# Altium PCB power-v3.6.PcbDoc (part 1 of 3)
Units mil, origin at the board's own origin, x right, y up, seen from the top; angles counter-clockwise.
Board outline 6141.36 x 3430.84 mil, 4 copper layers (Signal 1, Ground, Power, Signal 2), stack 60.469 mil thick; 253 components, 142 nets, 643 pads, 692 vias.
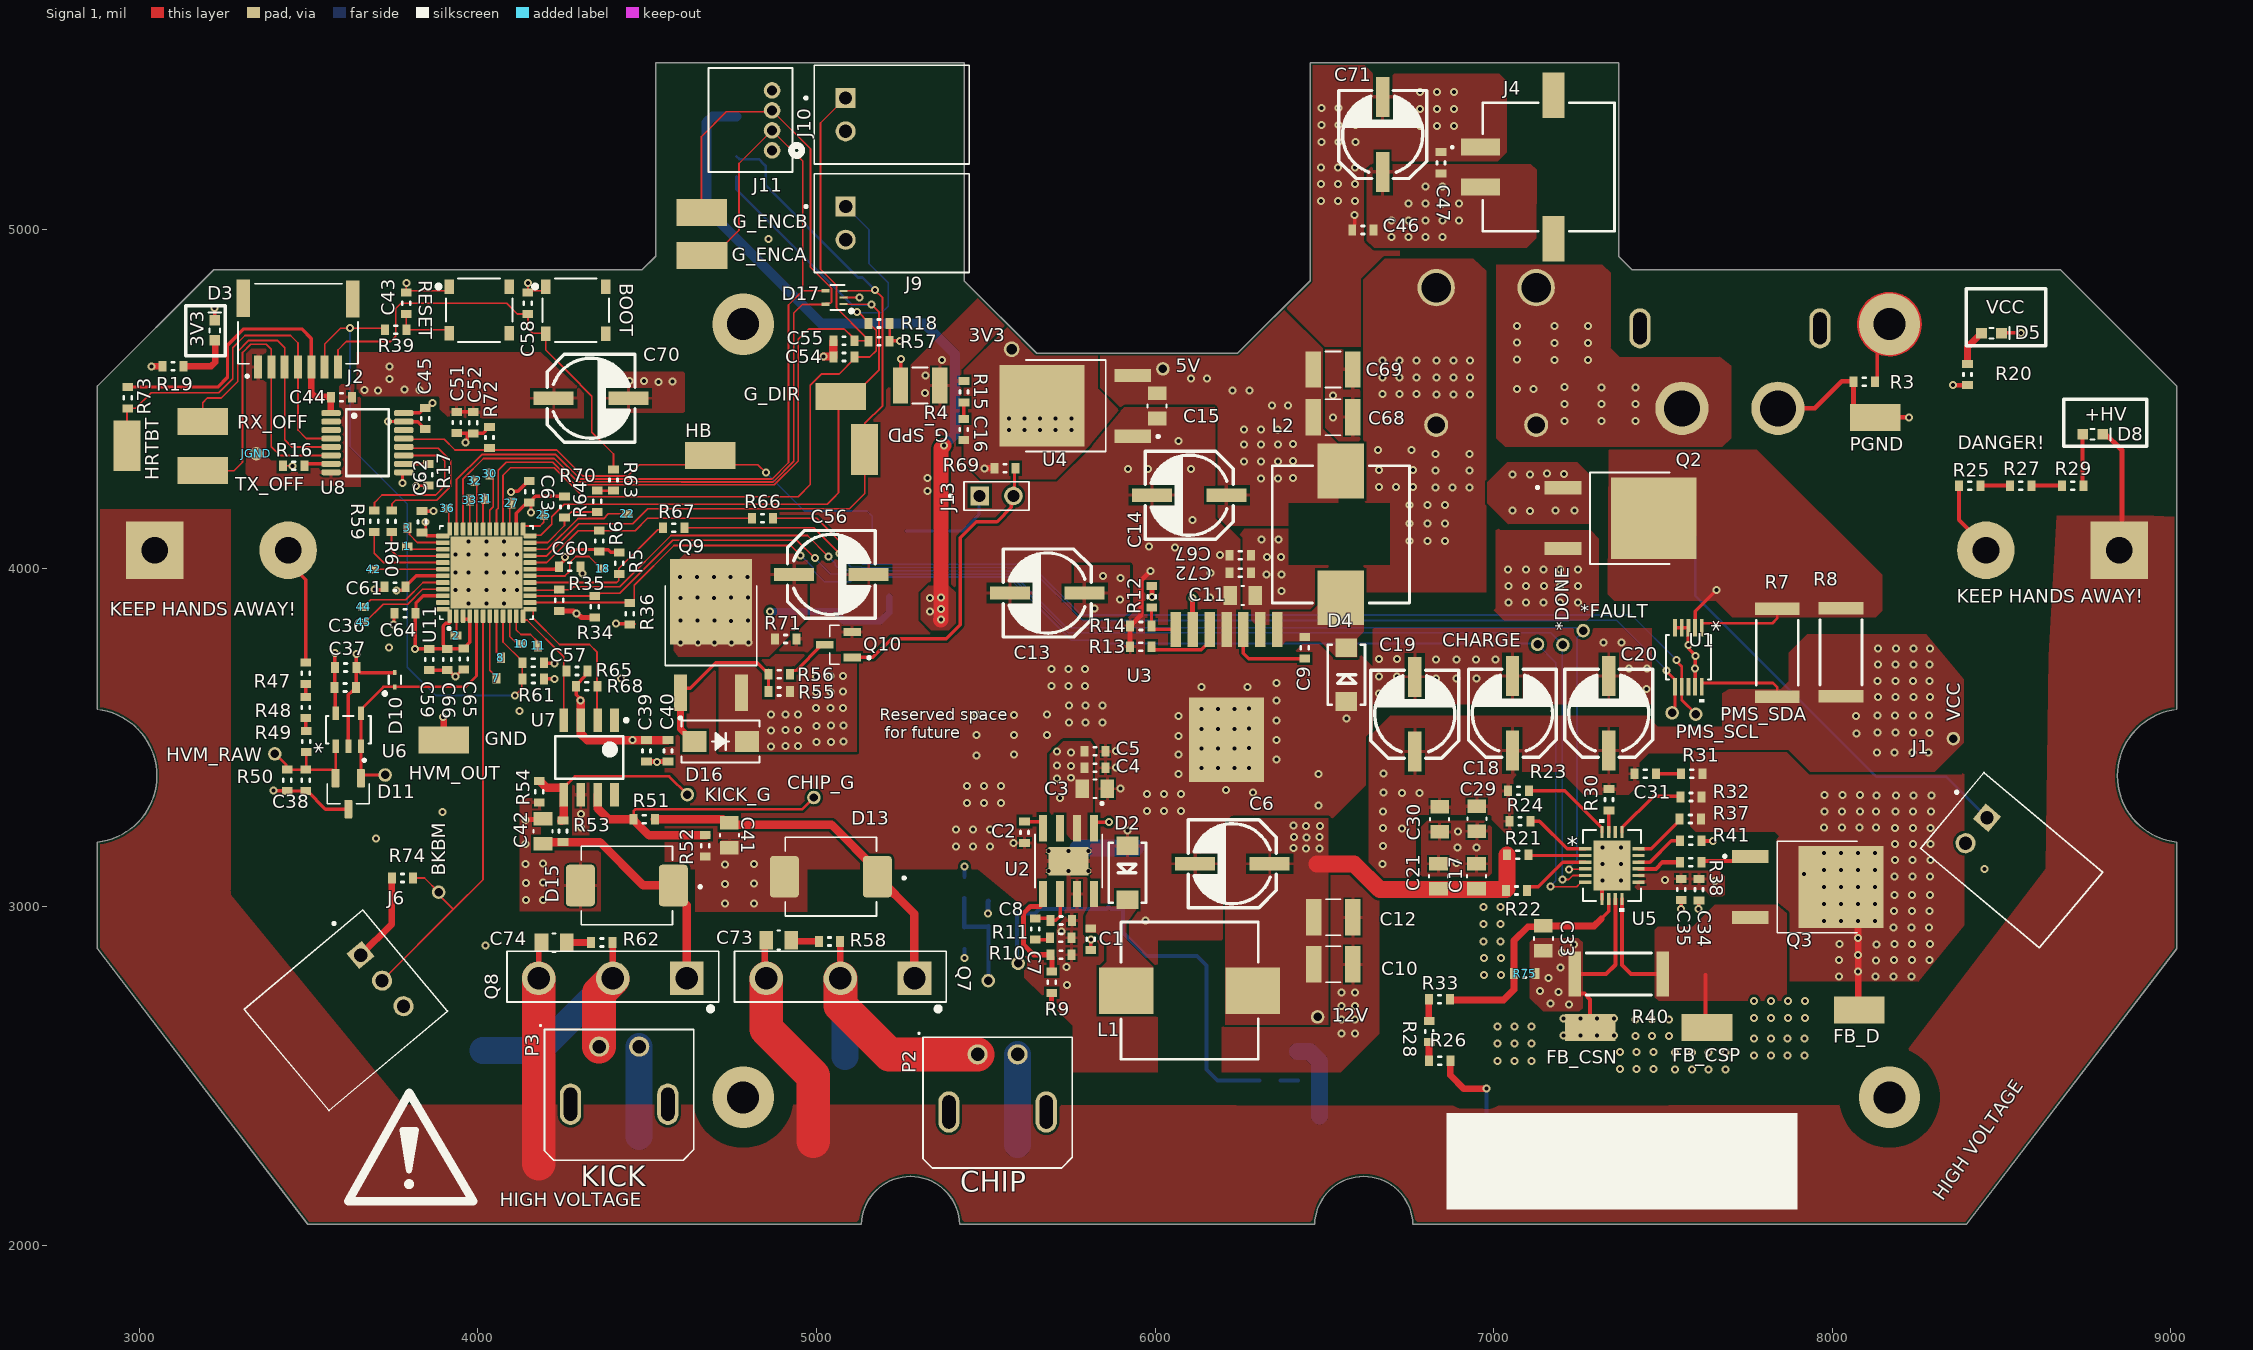
[diagram p0: Signal 1 view]
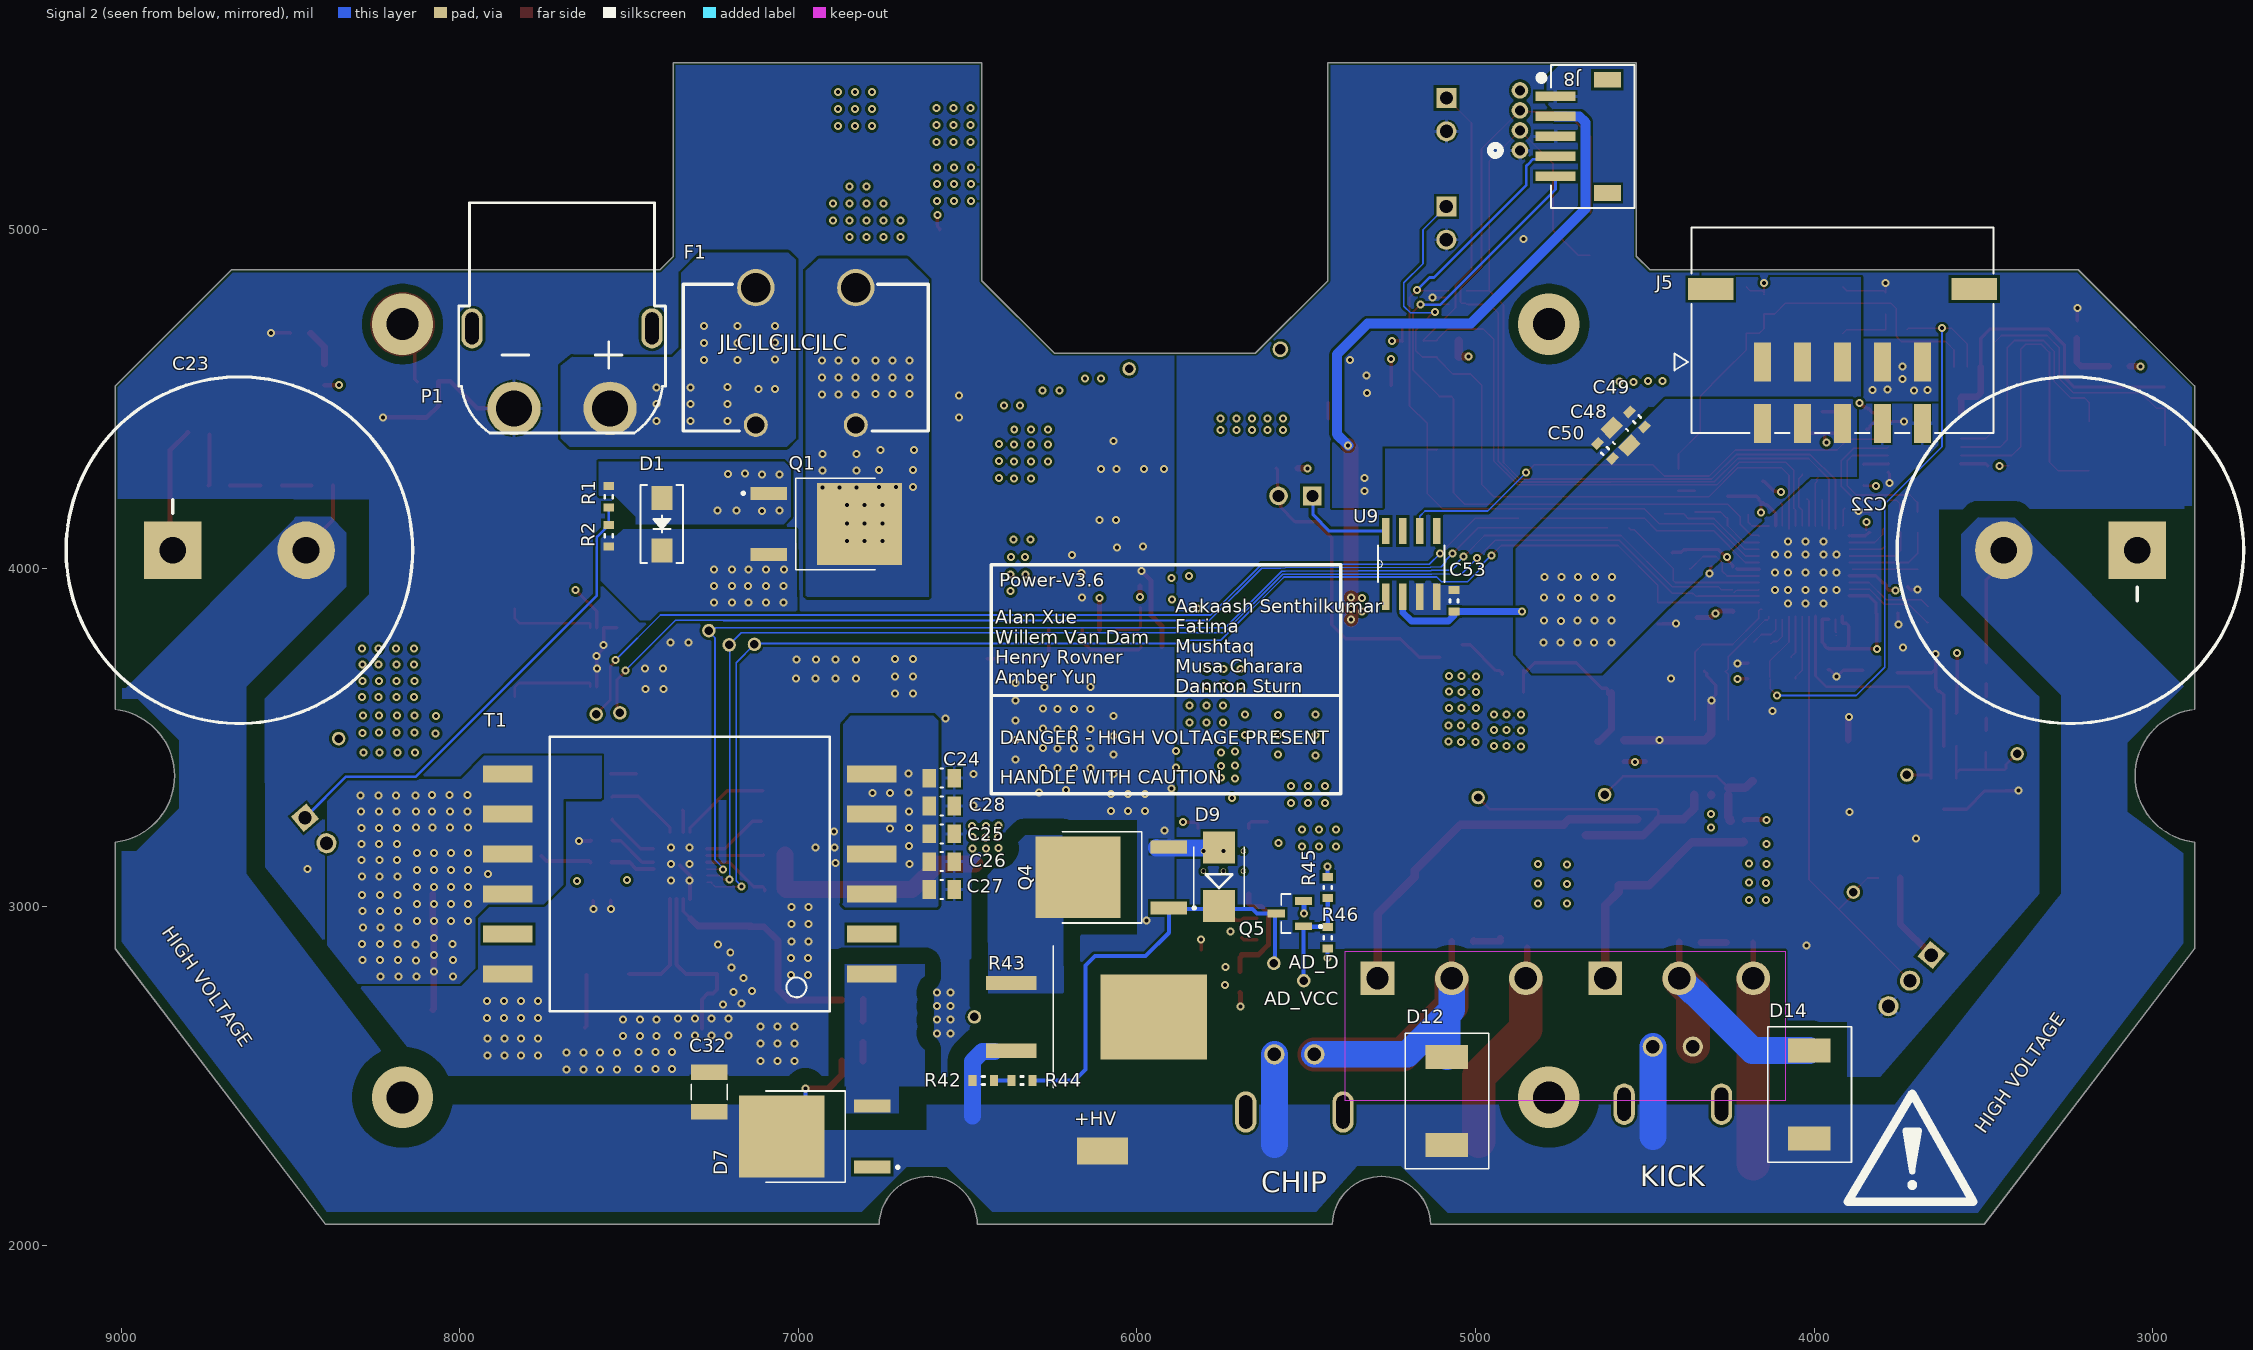
[diagram p1: Signal 2 view, seen from below]
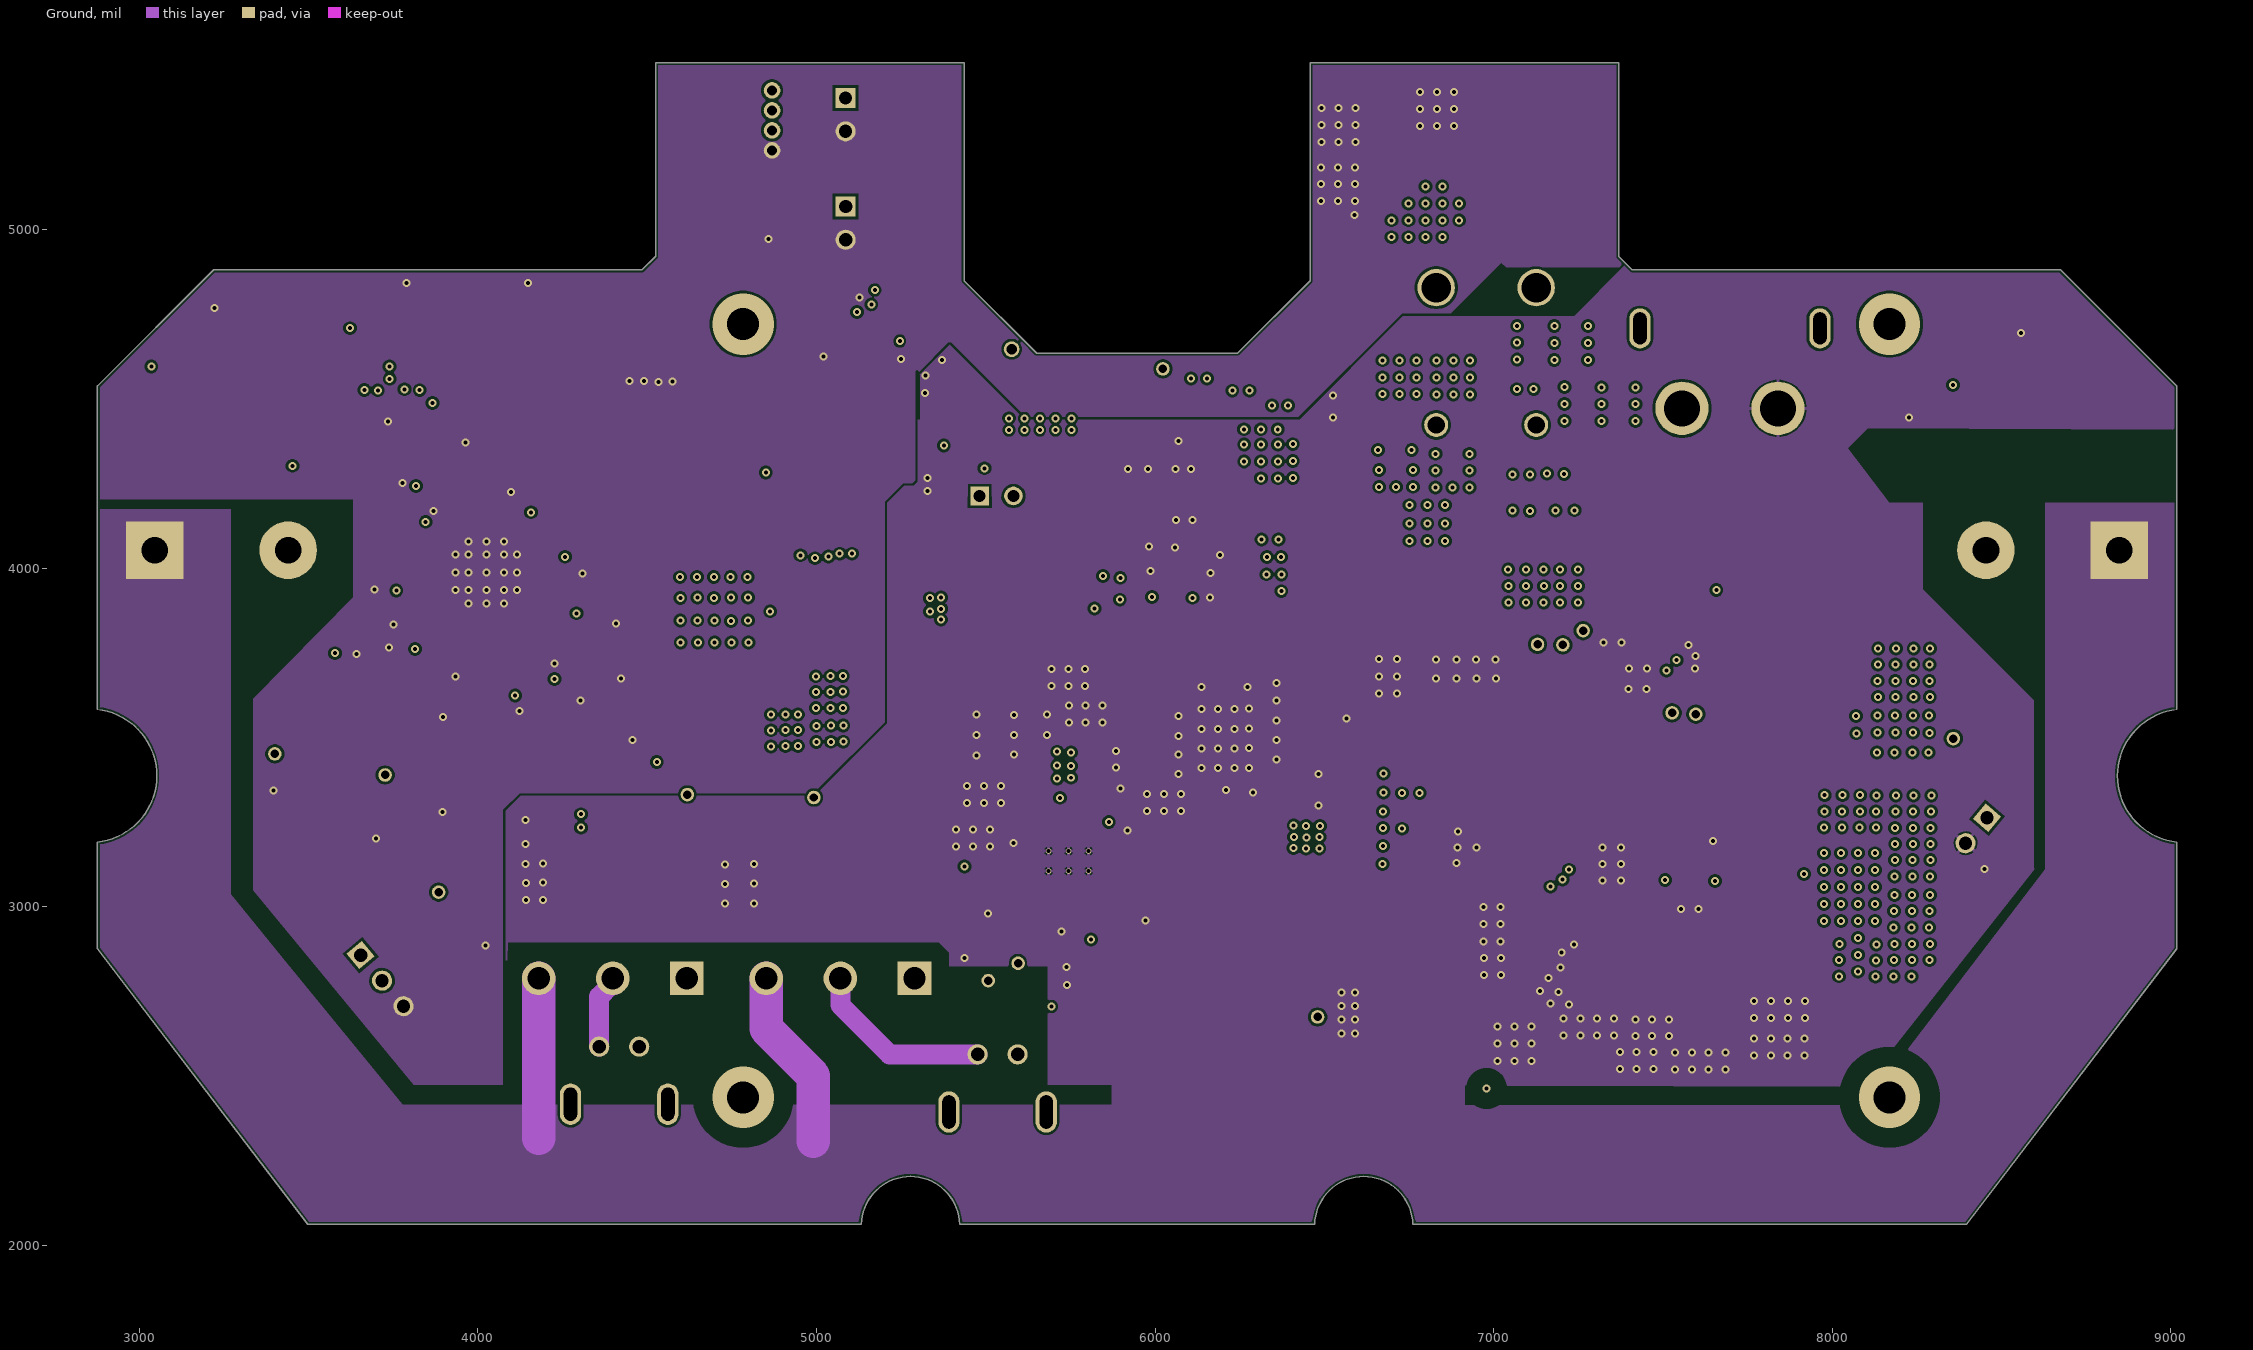
[diagram p2: Ground]
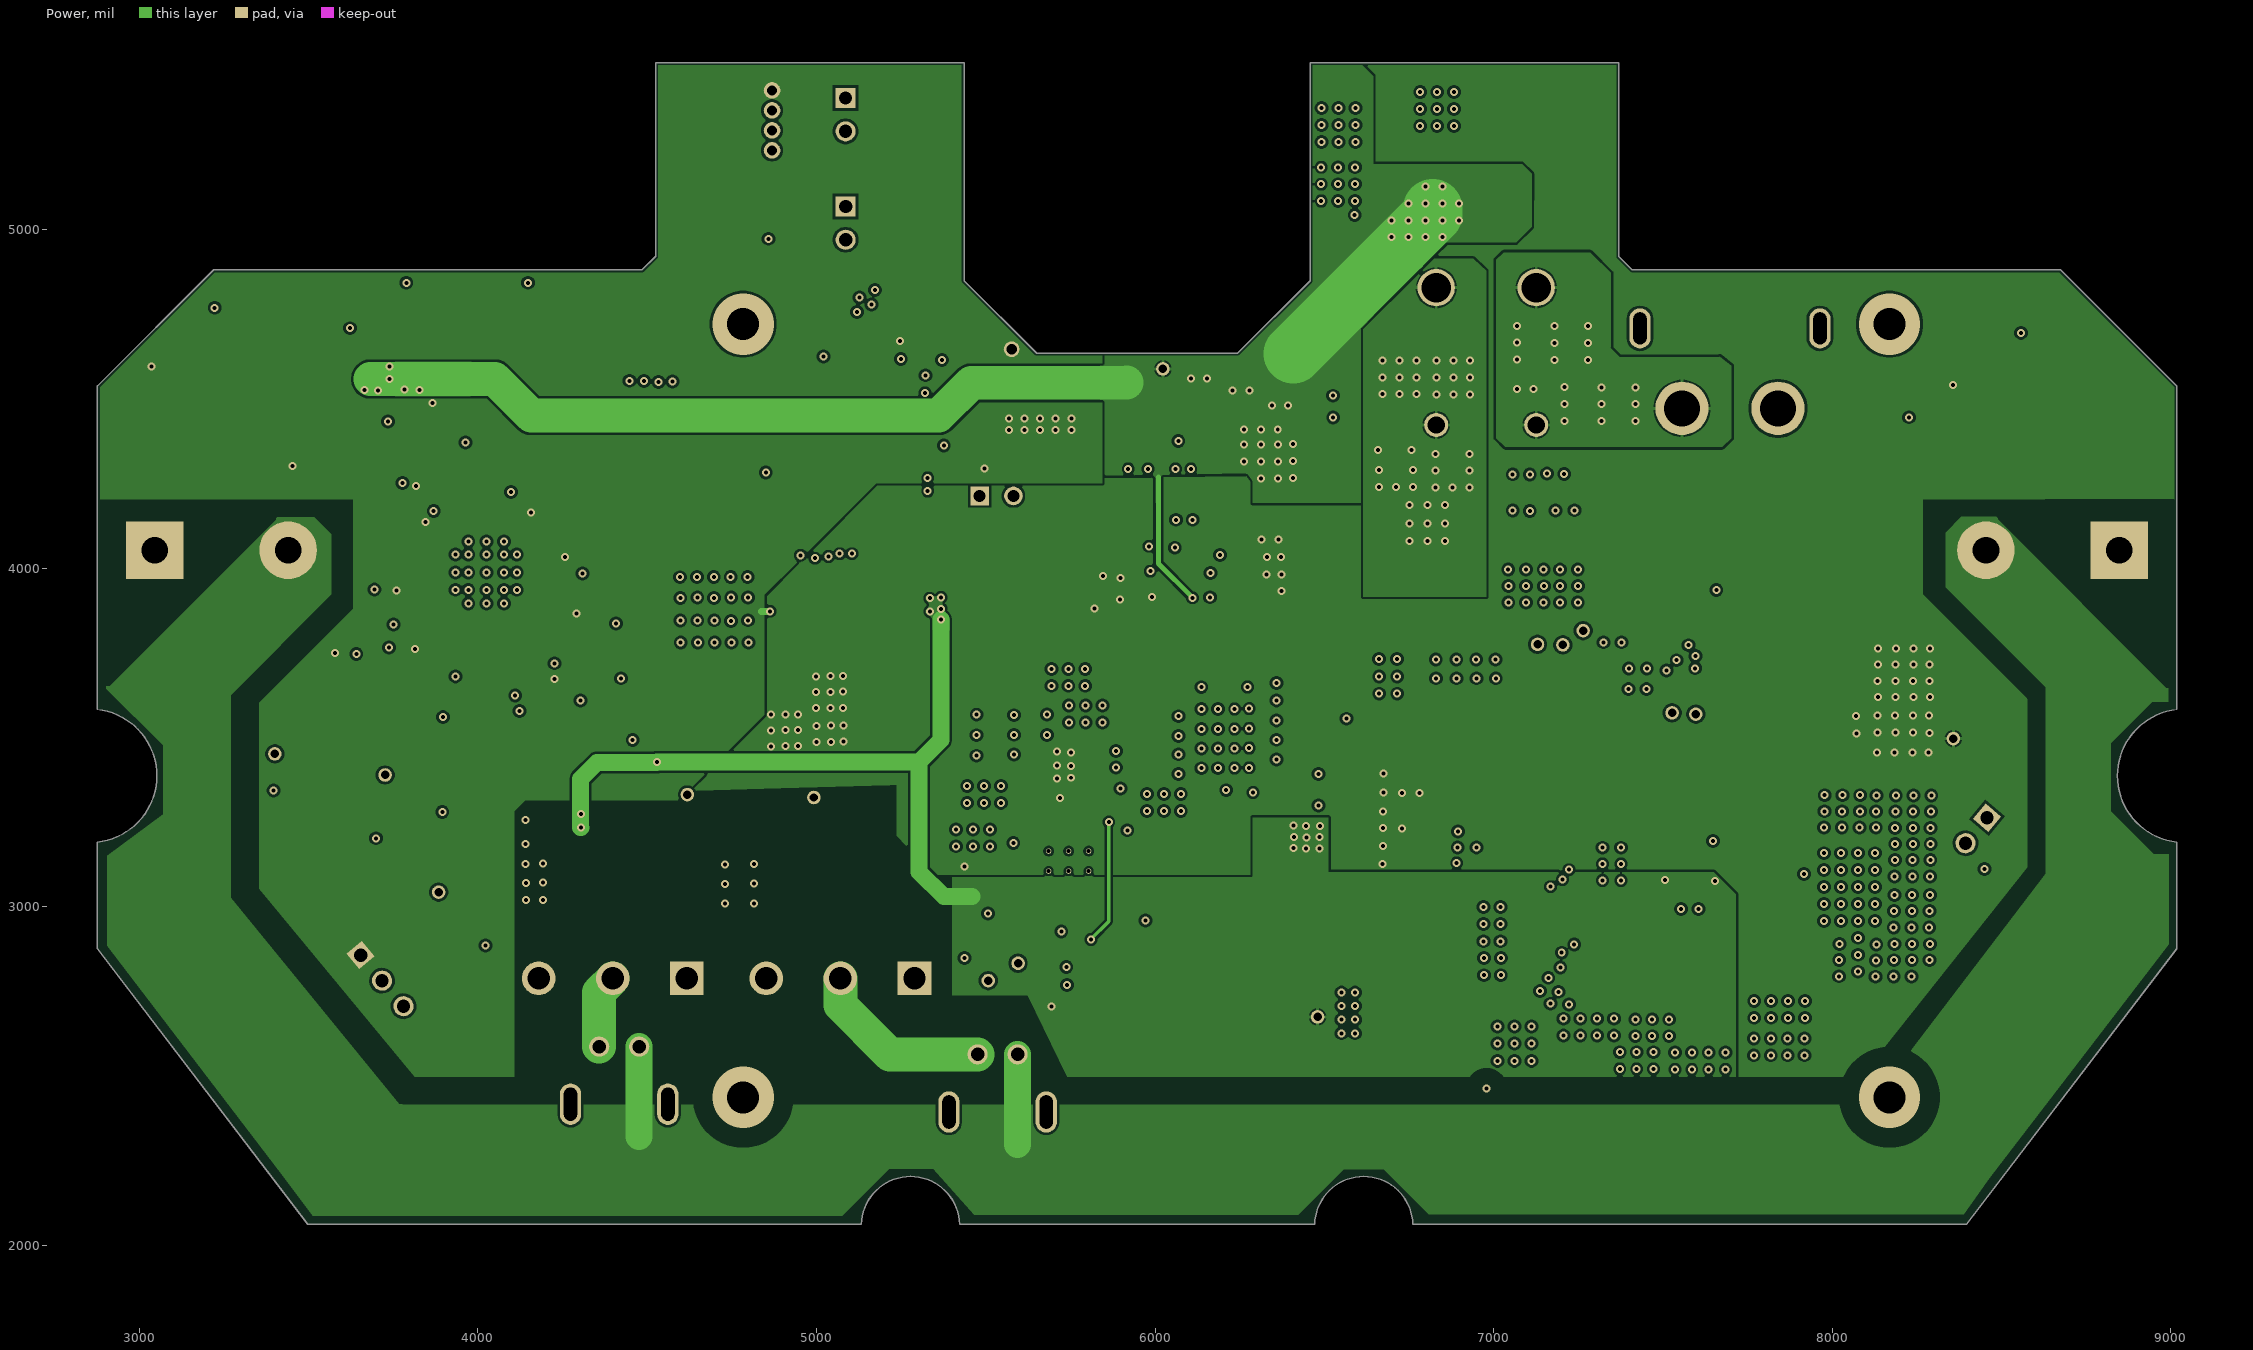
[diagram p3: Power]

## Layer stack, top to bottom
Top Solder: solder mask 0.4, Solder Resist, Dk 3.5
Signal 1: signal copper 1.378
Dielectric 2: prepreg 7.874, PP-006, Dk 4.1
Ground: signal copper 0.018
Dielectric 1: dielectric 41.9291, FR-4, Dk 4.8
Power: signal copper 0.018
Dielectric 3: prepreg 7.874, PP-006, Dk 4.1
Signal 2: signal copper 1.378
Bottom Solder: solder mask 0.4, Solder Resist, Dk 3.5

## Board outline
2876.33,2876.51 2876.33,3191.47 ccw(c2854.83,3387.3) 2876.33,3583.12 2876.33,4538.87 3220.13,4881.59 4485.05,4881.59 4525,4921.54 4525,5493.66 5435.78,5493.66 5435.78,4849.61 5650.51,4635.56 6243.51,4635.56 6458.23,4849.61 6458.23,5493.66 7370,5493.66 7370,4920.55 7408.96,4881.59 8673.88,4881.59 9017.69,4538.87 9017.69,3583.12 ccw(c9039.18,3387.3) 9017.69,3191.47 9017.69,2876.51 8396.63,2062.82 6761.51,2062.82 ccw(c6616.3,2058.62) 6471.09,2062.82 5422.92,2062.82 ccw(c5277.72,2058.62) 5132.51,2062.82 3497.38,2062.82

## Design rules (kind name [scope] priority, off if disabled: settings)
BoardOutlineClearance [All] p1: gap=7.87 ignorepadtopadclearanceinfootprint=FALSE except(15.75: Arc-SplitBarrior Arc-SplitContinuation Track-SplitBarrior Track-SplitContinuation SMDPad-SplitBarrior SMDPad-SplitContinuation THPad-SplitBarrior THPad-SplitContinuation Via-SplitBarrior Via-SplitContinuation Fill-SplitBarrior Fill-SplitContinuation Poly-SplitBarrior Poly-SplitContinuation Region-SplitBarrior Region-SplitContinuation Text-SplitBarrior Text-SplitContinuation)
Clearance "Stitching PGND" [IsStitchingVia and InNet('PGND') vs (IsVia and (Not IsStitchingVia)) Or IsPad] p1: gap=5 ignorepadtopadclearanceinfootprint=FALSE
Clearance "HV Clearance" [InNetClass('HighVoltage') vs InAnyNet And Not InNetClass('HighVoltage')] p2: gap=49.21 ignorepadtopadclearanceinfootprint=FALSE // High Voltage Clearance
Clearance Clearance_1 [All] p3: gap=7.87 ignorepadtopadclearanceinfootprint=FALSE except(3.5: Arc-Arc Arc-Track Arc-SMDPad Track-Track Track-SMDPad SMDPad-SMDPad; 5: Arc-Via Track-Via SMDPad-Via THPad-Via Via-Via; 10: Arc-Text Track-Text SMDPad-Text THPad-Text Via-Text Fill-Text Poly-Text Region-Text Text-Text)
Clearance "Clearance Bottom Layer" [OnLayer('Bottom Layer')] p4: gap=8 ignorepadtopadclearanceinfootprint=TRUE except(10: Arc-Text Track-Text SMDPad-Text THPad-Text Via-Text Fill-Text Poly-Text Region-Text Text-Text)
Clearance "Clearance Top Layer" [OnLayer('Top Layer')] p5: gap=8 ignorepadtopadclearanceinfootprint=TRUE except(10: Arc-Text Track-Text SMDPad-Text THPad-Text Via-Text Fill-Text Poly-Text Region-Text Text-Text)
HoleSize [All] p1: absolutevalues=TRUE maxlimit=248.03 minlimit=7.87 maxpercent=80.000 minpercent=20.000
MinimumAnnularRing [All] p1: minimumring=3
MinimumSolderMaskSliver [All] p1: minsoldermaskwidth=3.94
PlaneConnect PlaneConnect_2 [All] p1: planeconnectstyle=Relief reliefexpansion=20 reliefentries=4 reliefconductorwidth=10 reliefairgap=10
PlaneConnect PlaneConnect_1 [All] p2: planeconnectstyle=Relief reliefexpansion=20 reliefentries=4 reliefconductorwidth=10 reliefairgap=10
PlaneConnect [All] p3: planeconnectstyle=Relief reliefexpansion=20 reliefentries=4 reliefconductorwidth=10 reliefairgap=10
PolygonConnect 1mm_TP [HasFootprint('TP_1mm')] p1: connectstyle=Direct reliefconductorwidth=10 reliefentries=4 polygonreliefangle="90 Angle" airgapwidth=10
PolygonConnect "CAP POL ALU 6.3x5.8 Relief" [(HasFootprint('CAP POL ALU 6.3x5.8'))] p2: connectstyle=Relief reliefconductorwidth=10 reliefentries=4 polygonreliefangle="90 Angle" airgapwidth=10
PolygonConnect 5V_SW [InNet('5V-SW')] p3: connectstyle=Direct reliefconductorwidth=10 reliefentries=4 polygonreliefangle="90 Angle" airgapwidth=10
PolygonConnect 12V_Power [IsNamedPolygon('12V_Power_1') or IsNamedPolygon('12V_Power_2')   or    IsNamedPolygon('VCC_L01_P294')  or IsNamedPolygon('VCC_L01_P199')] p4: connectstyle=Direct reliefconductorwidth=10 reliefentries=4 polygonreliefangle="90 Angle" airgapwidth=10
PolygonConnect 12V_SW [InNet('12V-SW')] p5: connectstyle=Direct reliefconductorwidth=10 reliefentries=4 polygonreliefangle="90 Angle" airgapwidth=10
PolygonConnect Curr_Sense_Res [(InComponent('R7') OR InComponent('R8'))] p6: connectstyle=Direct reliefconductorwidth=10 reliefentries=4 polygonreliefangle="90 Angle" airgapwidth=10
PolygonConnect VCC_Flyback [IsNamedPolygon('VCC_L01_P282')] p7: thpad.connectstyle=Direct thpad.reliefconductorwidth=10 thpad.reliefentries=4 thpad.polygonreliefangle="90 Angle" thpad.airgapwidth=10 smdpad.connectstyle=Relief smdpad.reliefconductorwidth=10 smdpad.reliefentries=4 smdpad.polygonreliefangle="90 Angle" smdpad.airgapwidth=5 via.connectstyle=Direct via.reliefconductorwidth=10 via.reliefentries=4 via.polygonreliefangle="90 Angle" via.airgapwidth=10
PolygonConnect PolygonConnect_3 [All vs IsNamedPolygon('+VBAT_L01_P277') Or IsNamedPolygon('3V3_L01_P214') Or IsNamedPolygon('3V3_L01_P251') Or IsNamedPolygon('5V_L01_P197') Or IsNamedPolygon('5V_L01_P225') Or IsNamedPolygon('12V_L01_P233') Or IsNamedPolygon('12V_L01_P236') Or IsNamedPolygon('12V_L01_P237') Or IsNamedPolygon('12V_L01_P246') Or IsNamedPolygon('12V_L01_P256') Or IsNamedPolygon('NONET_L01_P264') Or IsNamedPolygon('12V_L01_P266') Or IsNamedPolygon('12V_L01_P269') Or IsNamedPolygon('GND_JETSON_L01_P212') Or IsNamedPolygon('GND_L01_P226') Or IsNamedPolygon('GND_L01_P211') Or IsNamedPolygon('GND_L01_P215') Or IsNamedPolygon('GND_L01_P252') Or IsNamedPolygon('LT_CSP_L01_P267') Or IsNamedPolygon('NETC1_1_L01_P235') Or IsNamedPolygon('NETC15_1_L01_P242') Or IsNamedPolygon('NETD1_1_L01_P247') Or IsNamedPolygon('NETD1_2_L01_P246') Or IsNamedPolygon('NETF1_1_L01_P280') Or IsNamedPolygon('NETFB_D_1_L01_P270') Or IsNamedPolygon('NETL2_2_L01_P240') Or IsNamedPolygon('PGND_L01_P230') Or IsNamedPolygon('PGND_L01_P231') Or IsNamedPolygon('PGND_L01_P232') Or IsNamedPolygon('PGND_L01_P234') Or IsNamedPolygon('PGND_L01_P238') Or IsNamedPolygon('PGND_L01_P239') Or IsNamedPolygon('PGND_L01_P241') Or IsNamedPolygon('PGND_L01_P243') Or IsNamedPolygon('PGND_L01_P248') Or IsNamedPolygon('PGND_L01_P269') Or IsNamedPolygon('PGND_L01_P257') Or IsNamedPolygon('PGND_L01_P258') Or IsNamedPolygon('PGND_L01_P276') Or IsNamedPolygon('PGND_L01_P276') Or IsNamedPolygon('PGND_L01_P276') Or IsNamedPolygon('PGND_L01_P-001') Or IsNamedPolygon('VCC_L01_P227') Or IsNamedPolygon('VCC_L01_P228') Or IsNamedPolygon('VCC_L01_P249') Or IsNamedPolygon('VCC_MOTOR_L01_P229') Or IsNamedPolygon('VCC_RPP_L01_P248') Or IsNamedPolygon('GND_L02_P195') Or IsNamedPolygon('GND_L02_P201') Or IsNamedPolygon('PGND_L01_P-001') Or IsNamedPolygon('PGND_L02_P194') Or IsNamedPolygon('PGND_L02_P207') Or IsNamedPolygon('+HV_L03_P216') Or IsNamedPolygon('+VBAT_L03_P218') Or IsNamedPolygon('3V3_L03_P198') Or IsNamedPolygon('5V_L03_P196') Or IsNamedPolygon('5V_L03_P198') Or IsNamedPolygon('5V_L03_P219') Or IsNamedPolygon('12V_L03_P224') Or IsNamedPolygon('NETF1_1_L03_P219') Or IsNamedPolygon('VCC_L03_P223') Or IsNamedPolygon('VCC_RPP_L03_P220') Or IsNamedPolygon('+HV_L04_P255') Or IsNamedPolygon('+VBAT_L04_P245') Or IsNamedPolygon('5V_L04_P217') Or IsNamedPolygon('12V_L04_P265') Or IsNamedPolygon('GND_L04_P200') Or IsNamedPolygon('GND_L04_P202') Or IsNamedPolygon('GND_L04_P210') Or IsNamedPolygon('GND_L04_P313') Or IsNamedPolygon('NETD1_1_L04_P244') Or IsNamedPolygon('NETD1_2_L04_P222') Or IsNamedPolygon('NETD7_IN_L04_P262') Or IsNamedPolygon('NETF1_1_L04_P253') Or IsNamedPolygon('NETFB_D_1_L04_P254') Or IsNamedPolygon('NETQ4_D_L04_P263') Or IsNamedPolygon('PGND_L04_P209') Or IsNamedPolygon('PGND_L04_P260') Or IsNamedPolygon('PGND_L04_P259') Or IsNamedPolygon('VCC_L04_P261') Or IsNamedPolygon('VCC_MOTOR_L04_P206') Or IsNamedPolygon('VCC_RPP_L04_P271')] p8: connectstyle=Direct reliefconductorwidth=10 reliefentries=4 polygonreliefangle="90 Angle" airgapwidth=10
PolygonConnect "Power Monitor Polys" [All vs IsNamedPolygon('PGND_L01_P100')] p9: connectstyle=Direct reliefconductorwidth=10 reliefentries=4 polygonreliefangle="90 Angle" airgapwidth=10
PolygonConnect JET_CONN [All vs IsNamedPolygon('GND_JETSON_L01_P026')] p10: connectstyle=Direct reliefconductorwidth=10 reliefentries=4 polygonreliefangle="90 Angle" airgapwidth=10
PolygonConnect "Chicker Gate Driver" [All vs IsNamedPolygon('12V_L01_P095') Or IsNamedPolygon('PGND_L01_P096') Or IsNamedPolygon('PGND_L01_P097') Or IsNamedPolygon('PGND_L01_P098') Or IsNamedPolygon('12V_L01_P099')] p11: connectstyle=Direct reliefconductorwidth=10 reliefentries=4 polygonreliefangle="90 Angle" airgapwidth=10
PolygonConnect "12V Conn" [All vs IsNamedPolygon('12V_L01_P092') Or IsNamedPolygon('12V_L03_P091') Or IsNamedPolygon('12V_L04_P094')] p12: connectstyle=Direct reliefconductorwidth=10 reliefentries=4 polygonreliefangle="90 Angle" airgapwidth=10
PolygonConnect Watchdog [All vs IsNamedPolygon('GND_L04_P090')] p13: connectstyle=Direct reliefconductorwidth=10 reliefentries=4 polygonreliefangle="90 Angle" airgapwidth=10
PolygonConnect "Auto Discharge" [All vs IsNamedPolygon('NETQ4_2_L04_P089')] p14: connectstyle=Direct reliefconductorwidth=10 reliefentries=4 polygonreliefangle="90 Angle" airgapwidth=10
PolygonConnect "Transformer Output" [All vs IsNamedPolygon('NETD7_IN_L04_P088')] p15: connectstyle=Direct reliefconductorwidth=10 reliefentries=4 polygonreliefangle="90 Angle" airgapwidth=10
PolygonConnect VCC-PGND [All vs IsNamedPolygon('PGND_L04_P086') Or IsNamedPolygon('VCC_L04_P087')         Or IsNamedPolygon('VCC_L01_P304') or IsNamedPolygon('VCC_L03_P213')] p16: connectstyle=Direct reliefconductorwidth=10 reliefentries=4 polygonreliefangle="90 Angle" airgapwidth=10
PolygonConnect "Flyback FB / PGND" [All vs IsNamedPolygon('NETFB_D1_1_L01_P083') Or IsNamedPolygon('NETFB_D1_1_L04_P076') Or IsNamedPolygon('PGND_L04_P081') Or IsNamedPolygon('PGND_L01_P084') Or IsNamedPolygon('PGND_L01_P085') Or IsNamedPolygon('NETFB_D_1_L01_P083') Or IsNamedPolygon('NETFB_D_1_L04_P076')] p17: connectstyle=Direct reliefconductorwidth=10 reliefentries=4 polygonreliefangle="90 Angle" airgapwidth=10
PolygonConnect "HV-PGND Border" [All vs IsNamedPolygon('PGND_L01_P-001') Or IsNamedPolygon('PGND_L01_P-001') Or IsNamedPolygon('+HV_L03_P032') Or IsNamedPolygon('+HV_L04_P079') Or IsNamedPolygon('+HV_L03_P295')] p18: connectstyle=Direct reliefconductorwidth=10 reliefentries=4 polygonreliefangle="90 Angle" airgapwidth=10
PolygonConnect "Bkbm Conn" [All vs IsNamedPolygon('3V3_L01_P074') Or IsNamedPolygon('GND_L01_P075')] p19: connectstyle=Direct reliefconductorwidth=10 reliefentries=4 polygonreliefangle="90 Angle" airgapwidth=10
PolygonConnect "12V Flyback" [All vs IsNamedPolygon('12V_L01_P069') Or IsNamedPolygon('12V_L01_P070') Or IsNamedPolygon('PGND_L01_P071') Or IsNamedPolygon('LT_CSP_L01_P072') Or IsNamedPolygon('PGND_L01_P073')] p20: connectstyle=Direct reliefconductorwidth=10 reliefentries=4 polygonreliefangle="90 Angle" airgapwidth=10